# Altium PCB Display_PCB.PcbDoc (part 1 of 3) (continued)
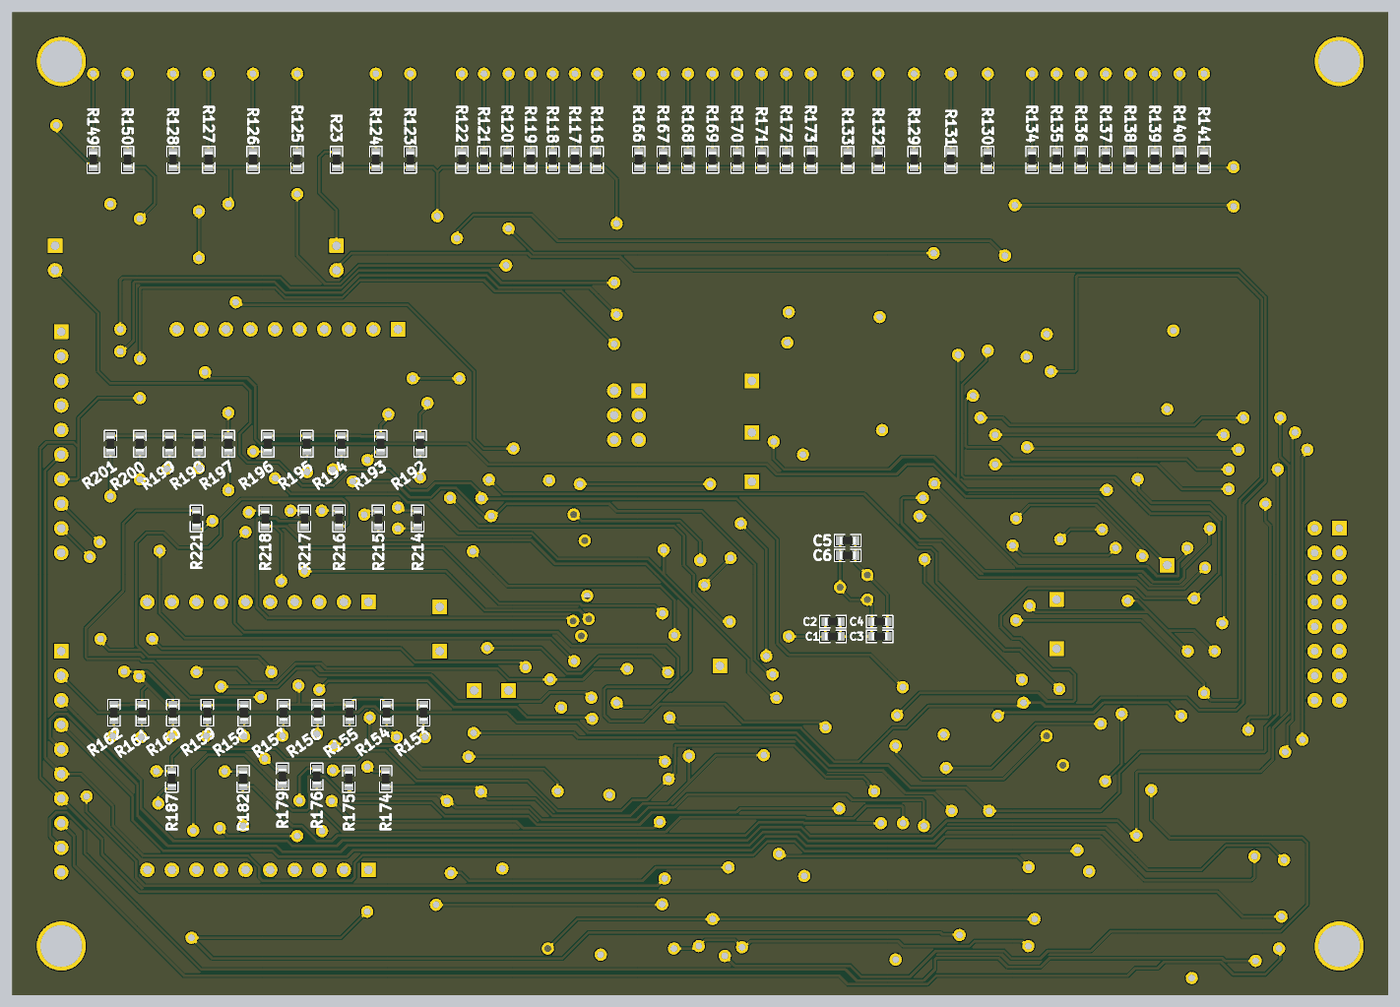
[diagram p7: 3D render of the assembled board from below, using the file's embedded part models]

## Layer stack, top to bottom
Top Solder: solder mask 0.4, Solder Resist, Dk 3.5
Top Layer: signal copper 1.4
Dielectric 2: prepreg 2.8, PP-006, Dk 4.1
Plane(Gnd): plane copper 1.378, net GND
Dielectric 1: dielectric 12.6, FR-4, Dk 4.8
Plane(PWR): plane copper 1.378, net +5
Dielectric 3: prepreg 2.8, PP-006, Dk 4.1
Bottom Layer: signal copper 1.4
Bottom Solder: solder mask 0.4, Solder Resist, Dk 3.5

## Board outline
0,0 0,4000 5600,4000 5600,0

## Design rules (kind name [scope] priority, off if disabled: settings)
Clearance [All] p1: gap=5 ignorepadtopadclearanceinfootprint=FALSE
HoleSize [All] p1: absolutevalues=TRUE maxlimit=200 minlimit=1 maxpercent=80.000 minpercent=20.000
HoleToHoleClearance [All] p1: gap=5 allowstackedmicrovias=TRUE
MinimumSolderMaskSliver [All] p1: minsoldermaskwidth=5
PlaneClearance [All] p1: clearance=20
PlaneConnect [All] p1: planeconnectstyle=Relief reliefexpansion=20 reliefentries=4 reliefconductorwidth=10 reliefairgap=10
PolygonConnect [All] p1: connectstyle=Relief reliefconductorwidth=10 reliefentries=4 polygonreliefangle="90 Angle" airgapwidth=10
RoutingVias [All] p1: holewidth=28 width=50 viastyle="Through Hole" minholewidth=28 minwidth=50 maxholewidth=28 maxwidth=50
SilkToSilkClearance [All] p1: silktosilkclearance=4
SilkToSolderMaskClearance [IsPad] p1: minsilkscreentomaskgap=3.5 clearancetoexposedcopper=TRUE
SolderMaskExpansion [All] p1: expansion=4 istentingtop=FALSE
Width [All] p1: maxlimit=10 minlimit=5 preferedwidth=10 minimp=50.000000 maximp=50.000000 favimp=50.000000
23 further rules are at their usual default settings.

## Classes and differential pairs
component class Display_LED_Monitor: LED1 LED2 LED3 LED4 LED5 LED6 LED7 LED8 LED9 LED10 LED11 LED12 LED13 LED14 LED15 LED16 LED17 LED18 LED19 LED20 LED21 LED22 LED23 LED24 LED25 LED26 LED27 LED28 LED29 LED30 LED31 LED32 LED33 LED34 LED35 LED36 LED37 LED38 LED39 LED40 LED41 LED42 LED43 LED44 LED45 LED46 LED47 LED48 LED49 LED50 LED51 LED52 LED53 LED54 LED55 LED56 R116 R117 R118 R119 R120 R121 R122 R123 R124 R125 R126 R127 R128 R129 R130 R131 R132 R133 R134 R135 R136 R137 R138 R139 R140 R141 R142 R143 R144 R145 R146 R147 R148 R149 R150 R151 R152 R153 R154 R155 R156 R157 R158 R159 R160 R161 R162 R163 R164 R165 R166 R167 R168 R169 R170 R171 R172 R173 R174 R175 R176 R177 R178 R179 R180 R181 R182 R183 R184 R185 R186 R187 R188 R189 R190 R191 R192 R193 R194 R195 R196 R197 R198 R199 R200 R201 R202 R203 R204 R205 R206 R207 R208 R209 R210 R211 R212 R213 R214 R215 R216 R217 R218 R219 R220 R221 R222 R223 R224 R225 R226 R227 TP8 TP9 TP10 TP11 U1 U2 U3 U4 U5 U6
component class Display_CPu: B1 B2 B3 C1 C2 C3 C4 C5 C6 H1 H2 H3 H4 H5 H6 H7 IC1 J1 J2 R1 R2 R3 R4 R5 R6 R7 R8 R9 R10 R11 R12 R13 R14 R15 R16 R17 R18 R19 R20 R21 R22 R23 R24 R25 R26 R27 R28 R29 R30 R31 R32 R33 R34 R35 R36 R37 R38 R39 R40 R41 R42 R43 R44 R45 R46 R47 R48 R49 R50 R51 R52 R53 R54 R56 R57 R58 R60 R61 R62 R64 R65 R66 R68 R69 R70 R72 R73 R74 R76 R77 R79 R80 R81 R82 R83 R84 R85 R86 R87 R88 R89 R90 R91 R92 R93 R94 R95 R96 R97 R98 R99 R100 R101 R102 R103 R104 R105 R106 R107 R108 R109 R110 R111 R112 R113 R114 R115 TP1 TP2 TP3 TP4 TP5 TP6 TP7

## Components (designator, comment, footprint, x,y, rotation, side; value= is the part's Value field where it differs from the comment)
B1 "MM74HC595MX" SOIC127P600X175-16N 2210,310 r0 top locked
B2 "MM74HC595MX" SOIC127P600X175-16N 1010,310 r0 top locked
B3 "MM74HC595MX" SOIC127P600X175-16N 3410,310 r0 top locked
C1 "100nf" 0603 2260,1460 r0 bottom
C2 "1uf" 0603 2260,1520 r0 bottom
C3 "100nf" 0603 2070,1460 r180 bottom
C4 "1uf" 0603 2070,1520 r180 bottom
C5 "100nf" 0603 2200,1850 r180 bottom
C6 "1uf" 0603 2200,1790 r180 bottom
H1 "Header_IDC_2x8" HEADER16 200,1900 r0 top locked
H2 "UDPI Programmer" HDR2X3 3050,2460 r270 top
H3 "Header_1_X_10" TP_1X10 4030,2710 r0 top locked
H4 "Header_1_X_10" TP_1X10 5400,2700 r270 top locked
H5 "LCD1" TP_1X10 4150,510 r0 top locked
H6 "LCD2" TP_1X10 4150,1600 r0 top locked
H7 "Header_1_X_10" TP_1X10 5400,1400 r270 top locked
IC1 "AVR64DD32-I_PT" QFP80P900X900X120-32N 2190,1640 r0 top locked
J1 "Jumper" JUMPER 5425,3050 r180 top locked
J2 "Jumper" JUMPER 4280,3050 r180 top locked
LED1 "green" 0603_DIODE 3220,3375 r90 top
LED2 "green" 0603_DIODE 3310,3375 r90 top
LED3 "green" 0603_DIODE 3400,3375 r90 top
LED4 "green" 0603_DIODE 3490,3375 r90 top
LED5 "green" 0603_DIODE 3585,3375 r90 top
LED6 "green" 0603_DIODE 3680,3375 r90 top
LED7 "green" 0603_DIODE 3770,3375 r90 top
LED8 "green" 0603_DIODE 3980,3375 r90 top
LED9 "green" 0603_DIODE 4120,3375 r90 top
LED10 "green" 0603_DIODE 4440,3375 r90 top
LED11 "green" 0603_DIODE 4620,3375 r90 top
LED12 "green" 0603_DIODE 4800,3375 r90 top
LED13 "green" 0603_DIODE 4945,3375 r90 top
LED14 "green" 0603_DIODE 1930,3375 r90 top
LED15 "amber" 0603_DIODE 1630,3375 r90 top
LED16 "blue" 0603_DIODE 1780,3375 r90 top
LED17 "green" 0603_DIODE 2075,3375 r90 top
LED18 "green" 0603_DIODE 1450,3375 r90 top
LED19 "green" 0603_DIODE 1350,3375 r90 top
LED20 "green" 0603_DIODE 1250,3375 r90 top
LED21 "green" 0603_DIODE 1150,3375 r90 top
LED22 "green" 0603_DIODE 1050,3375 r90 top
LED23 "green" 0603_DIODE 950,3375 r90 top
LED24 "green" 0603_DIODE 850,3375 r90 top
LED25 "green" 0603_DIODE 750,3375 r90 top
LED26 "red" 0603_DIODE 2200,3375 r90 top
LED27 "red" 0603_DIODE 5270,3375 r90 top
LED28 "amber" 0603_DIODE 5130,3375 r90 top
LED29 "green" 0603_DIODE 3930,875 r90 top
LED30 "green" 0603_DIODE 4080,875 r90 top
LED31 "green" 0603_DIODE 4230,875 r90 top
LED32 "green" 0603_DIODE 4360,875 r90 top
LED33 "green" 0603_DIODE 4500,875 r90 top
LED34 "green" 0603_DIODE 4660,875 r90 top
LED35 "green" 0603_DIODE 4810,875 r90 top
LED36 "green" 0603_DIODE 4950,875 r90 top
LED37 "green" 0603_DIODE 5075,875 r90 top
LED38 "green" 0603_DIODE 5190,875 r90 top
LED39 "green" 0603_DIODE 3050,3375 r90 top
LED40 "green" 0603_DIODE 2950,3375 r90 top
LED41 "green" 0603_DIODE 2850,3375 r90 top
LED42 "green" 0603_DIODE 2750,3375 r90 top
LED43 "green" 0603_DIODE 2650,3375 r90 top
LED44 "green" 0603_DIODE 2550,3375 r90 top
LED45 "green" 0603_DIODE 2450,3375 r90 top
LED46 "green" 0603_DIODE 2350,3375 r90 top
LED47 "green" 0603_DIODE 3950,1930 r90 top locked
LED48 "green" 0603_DIODE 4110,1930 r90 top locked
LED49 "green" 0603_DIODE 4270,1930 r90 top locked
LED50 "green" 0603_DIODE 4410,1930 r90 top locked
LED51 "green" 0603_DIODE 4570,1930 r90 top locked
LED52 "green" 0603_DIODE 4730,1930 r90 top locked
LED53 "green" 0603_DIODE 4850,1930 r90 top locked
LED54 "green" 0603_DIODE 4970,1930 r90 top locked
LED55 "green" 0603_DIODE 5090,1930 r90 top locked
LED56 "green" 0603_DIODE 5210,1930 r90 top locked
R1 "0R" 0603 600,1900 r180 top locked
R2 "0R" 0603 2855,2460 r0 top
R3 "0R" 0603 600,1800 r180 top locked
R4 "0R" 0603 2855,2360 r0 top
R5 "0R" 0603 2855,2160 r180 top
R6 "0R" 0603 600,1700 r180 top locked
R7 "0R" 0603 900,1650 r0 top locked
R8 "0R" 0603 2855,2260 r0 top
R9 "0R" 0603 600,1600 r180 top locked
R10 "0R" 0603 900,1550 r0 top locked
R11 "0R" 0603 600,1500 r180 top locked
R12 "0R" 0603 900,1450 r0 top locked
R13 "0R" 0603 600,1400 r180 top locked
R14 "0R" 0603 900,1350 r0 top locked
R15 "0R" 0603 600,1300 r180 top locked
R16 "0R" 0603 600,1200 r180 top locked
R17 "0R" 0603 2150,2020 r270 top locked
R18 "0R" 0603 2280,2020 r90 top locked
R19 "0R" 0603 2090,2020 r270 top locked
R20 "0R" 0603 2340,2020 r90 top locked
R21 "0R" 0603 2030,2020 r270 top locked
R22 "0R" 0603 2400,2020 r90 top locked
R23 "4.7k" 0603 4280,3400 r270 bottom
R24 "4.7k" 0603 5425,3400 r90 top locked
R25 "0R" 0603 1620,1770 r0 top locked
R26 "0R" 0603 2590,1810 r0 top locked
R27 "0R" 0603 1620,1710 r0 top locked
R28 "0R" 0603 2590,1750 r0 top locked
R29 "0R" 0603 1620,1650 r0 top locked
R30 "0R" 0603 2590,1690 r0 top locked
R31 "0R" 0603 1620,1590 r0 top locked
R32 "0R" 0603 2590,1630 r0 top locked
R33 "0R" 0603 1620,1530 r0 top locked
R34 "0R" 0603 2590,1570 r0 top locked
R35 "0R" 0603 2590,1510 r0 top locked
R36 "0R" 0603 1620,1470 r0 top locked
R37 "0R" 0603 2420,1210 r270 top
R38 "0R" 0603 1620,1410 r0 top locked
R39 "0R" 0603 2360,1210 r270 top
R40 "0R" 0603 1620,1350 r0 top locked
R41 "0R" 0603 2300,1210 r270 top
R42 "0R" 0603 2060,1210 r90 top
R43 "0R" 0603 2240,1210 r270 top
R44 "0R" 0603 2180,1210 r270 top
R45 "0R" 0603 2120,1210 r270 top
R46 "0R" 0603 4130,2530 r90 top locked
R47 "0R" 0603 4230,2530 r90 top locked
R48 "0R" 0603 4430,2530 r90 top locked
R49 "0R" 0603 4530,2530 r90 top locked
R50 "0R" 0603 4630,2530 r90 top locked
R51 "0R" 0603 4730,2530 r90 top locked
R52 "0R" 0603 4250,310 r90 top locked
R53 "0R" 0603 2510,490 r0 top locked
R54 "0R" 0603 4350,310 r90 top locked
R56 "0R" 0603 2510,430 r180 top locked
R57 "0R" 0603 1860,490 r180 top locked
R58 "0R" 0603 4450,310 r90 top locked
R60 "0R" 0603 2510,370 r180 top locked
R61 "0R" 0603 1860,430 r180 top locked
R62 "0R" 0603 4550,310 r90 top locked
R64 "0R" 0603 2510,310 r180 top locked
R65 "0R" 0603 1860,370 r180 top locked
R66 "0R" 0603 4650,310 r90 top locked
R68 "0R" 0603 2510,250 r180 top locked
R69 "0R" 0603 1860,310 r180 top locked
R70 "0R" 0603 4750,310 r90 top locked
R72 "0R" 0603 2510,190 r180 top locked
R73 "0R" 0603 1860,250 r180 top locked
R74 "0R" 0603 4850,310 r90 top locked
R76 "0R" 0603 1860,190 r180 top locked
R77 "0R" 0603 4950,310 r90 top locked
R79 "0R" 0603 1860,130 r180 top locked
R80 "0R" 0603 2510,130 r0 top locked
R81 "0R" 0603 4250,1410 r90 top locked
R82 "0R" 0603 1310,490 r0 top locked
R83 "0R" 0603 4350,1410 r90 top locked
R84 "0R" 0603 1310,430 r180 top locked
R85 "0R" 0603 660,490 r180 top locked
R86 "0R" 0603 4450,1410 r90 top locked
R87 "0R" 0603 1310,370 r180 top locked
R88 "0R" 0603 660,430 r180 top locked
R89 "0R" 0603 4550,1410 r90 top locked
R90 "0R" 0603 1310,310 r180 top locked
R91 "0R" 0603 660,370 r180 top locked
R92 "0R" 0603 4650,1410 r90 top locked
R93 "0R" 0603 1310,250 r180 top locked
R94 "0R" 0603 660,310 r180 top locked
R95 "0R" 0603 4750,1410 r90 top locked
R96 "0R" 0603 1310,190 r180 top locked
R97 "0R" 0603 660,250 r180 top locked
R98 "0R" 0603 4850,1410 r90 top locked
R99 "0R" 0603 660,190 r180 top locked
R100 "0R" 0603 3710,490 r0 top locked
R101 "0R" 0603 4950,1410 r90 top locked
R102 "0R" 0603 660,130 r180 top locked
R103 "0R" 0603 3710,430 r180 top locked
R104 "0R" 0603 3060,490 r180 top locked
R105 "0R" 0603 3710,370 r180 top locked
R106 "0R" 0603 3060,430 r180 top locked
R107 "0R" 0603 1310,130 r0 top locked
R108 "0R" 0603 3710,310 r180 top locked
R109 "0R" 0603 3060,370 r180 top locked
R110 "0R" 0603 3710,250 r180 top locked
R111 "0R" 0603 3060,310 r180 top locked
R112 "0R" 0603 3710,190 r180 top locked
R113 "0R" 0603 3060,250 r180 top locked
R114 "0R" 0603 3060,190 r180 top locked
R115 "0R" 0603 3060,130 r180 top locked
R116 "180" 0603 3220,3400 r270 bottom
R117 "180" 0603 3310,3400 r270 bottom
R118 "180" 0603 3400,3400 r270 bottom
R119 "180" 0603 3490,3400 r270 bottom
R120 "180" 0603 3585,3400 r270 bottom
R121 "180" 0603 3680,3400 r270 bottom
R122 "180" 0603 3770,3400 r270 bottom
R123 "180" 0603 3980,3400 r270 bottom
R124 "180" 0603 4120,3400 r270 bottom
R125 "180" 0603 4440,3400 r270 bottom
R126 "180" 0603 4620,3400 r270 bottom
R127 "180" 0603 4800,3400 r270 bottom
R128 "180" 0603 4945,3400 r270 bottom
R129 "180" 0603 1930,3400 r270 bottom
R130 "180" 0603 1630,3400 r270 bottom
R131 "100" 0603 1780,3400 r90 bottom
R132 "180" 0603 2075,3400 r270 bottom
R133 "180" 0603 2200,3400 r270 bottom
R134 "180" 0603 1450,3400 r270 bottom
R135 "180" 0603 1350,3400 r270 bottom
R136 "180" 0603 1250,3400 r270 bottom
R137 "180" 0603 1150,3400 r270 bottom
R138 "180" 0603 1050,3400 r270 bottom
R139 "180" 0603 950,3400 r270 bottom
R140 "180" 0603 850,3400 r270 bottom
R141 "180" 0603 750,3400 r270 bottom
R142 "0R" 0603 1930,2700 r90 top locked
R143 "0R" 0603 1630,2700 r90 top locked
R144 "0R" 0603 3400,2700 r90 top locked
R145 "0R" 0603 1780,2700 r90 top locked
R146 "0R" 0603 3490,2700 r90 top locked
R147 "0R" 0603 5035,3010 r90 top
R148 "0R" 0603 1050,1040 r0 top locked
R149 "180" 0603 5270,3400 r270 bottom
R150 "47" 0603 5130,3400 r90 bottom
R151 "0R" 0603 1050,980 r0 top locked
R152 "0R" 0603 1050,920 r0 top locked
R153 "180" 0603 3925.75,1150 r90 bottom
R154 "180" 0603 4075.75,1150 r90 bottom
R155 "180" 0603 4225.75,1150 r90 bottom
R156 "180" 0603 4355.75,1150 r90 bottom
R157 "180" 0603 4495.75,1150 r90 bottom
R158 "180" 0603 4655.75,1150 r90 bottom
R159 "180" 0603 4805.75,1150 r90 bottom
R160 "180" 0603 4945.75,1150 r90 bottom
R161 "180" 0603 5070.75,1150 r90 bottom
R162 "180" 0603 5185.75,1150 r90 bottom
R163 "0R" 0603 1680,920 r180 top locked
R164 "0R" 0603 1680,980 r180 top locked
R165 "0R" 0603 1680,1040 r180 top locked
R166 "180" 0603 3050,3400 r270 bottom
R167 "180" 0603 2950,3400 r270 bottom
R168 "180" 0603 2850,3400 r270 bottom
R169 "180" 0603 2750,3400 r270 bottom
R170 "180" 0603 2650,3400 r270 bottom
R171 "180" 0603 2550,3400 r270 bottom
R172 "180" 0603 2450,3400 r270 bottom
R173 "180" 0603 2350,3400 r270 bottom
R174 "0R" 0603 4080,880 r90 bottom
R175 "0R" 0603 4230,880 r90 bottom
R176 "0R" 0603 4360,890 r90 bottom
R177 "0R" 0603 3040,2020 r0 top locked
R178 "0R" 0603 3040,1960 r180 top locked
R179 "0R" 0603 4500,890 r90 bottom
R180 "0R" 0603 3040,1900 r0 top locked
R181 "0R" 0603 3040,1840 r180 top locked
R182 "0R" 0603 4660,880 r90 bottom
R183 "0R" 0603 3040,1780 r0 top
R184 "0R" 0603 3040,1720 r180 top locked
R185 "0R" 0603 3560,1780 r180 top locked
R186 "0R" 0603 3560,1720 r0 top locked
R187 "0R" 0603 4950,880 r270 bottom
R188 "0R" 0603 3560,1900 r180 top locked
R189 "0R" 0603 3560,1840 r0 top locked
R190 "0R" 0603 3560,2020 r180 top locked
R191 "0R" 0603 3560,1960 r0 top locked
R192 "180" 0603 3940,2244 r90 bottom
R193 "180" 0603 4100,2244 r90 bottom
R194 "180" 0603 4260,2244 r90 bottom
R195 "180" 0603 4400,2244 r90 bottom
R196 "180" 0603 4560,2244 r90 bottom
R197 "180" 0603 4720,2244 r90 bottom
R198 "180" 0603 4840,2244 r90 bottom
R199 "180" 0603 4960,2244 r90 bottom
R200 "180" 0603 5080,2244 r90 bottom
R201 "180" 0603 5200,2244 r90 bottom
R202 "0R" 0603 3020,1120 r0 top locked
R203 "0R" 0603 3020,1060 r180 top locked
R204 "0R" 0603 3020,1000 r0 top locked
R205 "0R" 0603 3020,940 r180 top locked
R206 "0R" 0603 3020,880 r0 top locked
R207 "0R" 0603 3020,820 r180 top locked
R208 "0R" 0603 3560,860 r180 top locked
R209 "0R" 0603 3560,800 r0 top locked
R210 "0R" 0603 3560,980 r180 top locked
R211 "0R" 0603 3560,920 r0 top locked
R212 "0R" 0603 3560,1100 r180 top locked
R213 "0R" 0603 3560,1040 r0 top locked
R214 "0R" 0603 3950,1940 r90 bottom
R215 "0R" 0603 4110,1940 r90 bottom
R216 "0R" 0603 4270,1940 r90 bottom
R217 "0R" 0603 4410,1940 r90 bottom
R218 "0R" 0603 4570,1940 r90 bottom
R219 "0R" 0603 3040,1600 r0 top locked
R220 "0R" 0603 3040,1540 r0 top locked
R221 "0R" 0603 4850,1940 r270 bottom
R222 "0R" 0603 3040,1480 r0 top locked
R223 "0R" 0603 3560,1400 r180 top locked
R224 "0R" 0603 3560,1520 r180 top locked
R225 "0R" 0603 3560,1460 r0 top locked
R226 "0R" 0603 3560,1640 r180 top locked
R227 "0R" 0603 3560,1580 r0 top locked
TP1 "TP" TP 900,1750 r0 top locked
TP2 "TP" TP 2590,2500 r0 top
TP3 "TP" TP 2590,2090 r0 top
TP4 "TP" TP 2590,2290 r0 top
TP5 "TP" TP 2720,1340 r0 top
TP6 "TP" TP 1350,1610 r0 top locked
TP7 "TP" TP 1350,1410 r0 top locked
TP8 "TP" TP 3580,1240 r0 top
TP9 "TP" TP 3720,1240 r0 top
TP10 "TP" TP 3860,1580 r0 top
TP11 "TP" TP 3860,1400 r0 top
U1 "SN74ABT240ADBR" SOP65P780X200-20N 1150,2500 r0 top locked
U2 "SN74AC04PWR" SOP65P640X120-14N 1360,980 r0 top locked
U3 "SN74AC04PWR" SOP65P640X120-14N 3300,1880 r0 top locked
U4 "SN74ABT240ADBR" SOP65P780X200-20N 2200,2500 r0 top
U5 "SN74AC04PWR" SOP65P640X120-14N 3300,980 r0 top locked
U6 "SN74AC04PWR" SOP65P640X120-14N 3300,1520 r0 top locked

## Footprints (in the part's own frame and the unit in brackets; to place one, negate y for a bottom-side part, rotate by r counter-clockwise, add the part's x,y. Pads: shape width x height; smd on the part's side, far side on the other; paste and mask are expansions set on the pad)
0603 [mm]
  rect 0.8x0.95 smd: 1(-0.8,0) 2(0.8,0)
  silkscreen extent -1.37,-0.64 1.37,0.64, body extent -0.8,-0.4 0.8,0.4, height 0.55
0603_DIODE [mm]
  rect 0.8x0.8 smd: 1(-0.8,0) 2(0.8,0)
  silkscreen extent -2.03,-0.89 2.03,1.02
HDR2X3 [mm] "Connector; Header; 3x2 Position"
  rect 1.5x1.5 hole 0.9: 1(0,0)
  round 1.5 hole 0.9: 2(0,2.54) 3(2.54,0) 4(2.54,2.54) 5(5.08,0) 6(5.08,2.54)
  silkscreen extent -1.27,-1.27 6.35,3.81
HEADER16 [mil]
  rect 60x60 hole 31.5: 1(0,0)
  round 60 hole 31.5: 2(100,0) 3(0,-100) 4(100,-100) 5(0,-200) 6(100,-200) 7(0,-300) 8(100,-300) 9(0,-400) 10(100,-400) 11(0,-500) 12(100,-500) 13(0,-600) 14(100,-600) 15(0,-700) 16(100,-700)
  silkscreen extent -130,-900 230,200
JUMPER [mm] "Connector; Header; 8x2 Position"
  rect 1.5x1.5 hole 0.9: 1(0,0)
  round 1.5 hole 0.9: 2(0,2.54)
  silkscreen extent -1.27,-1.78 1.52,4.06
QFP80P900X900X120-32N [mm]
  rect 1.475x0.6 smd: 1(-4.238,2.8) 2(-4.238,2) 3(-4.238,1.2) 4(-4.238,0.4) 5(-4.238,-0.4) 6(-4.238,-1.2) 7(-4.238,-2) 8(-4.238,-2.8) 17(4.238,-2.8) 18(4.238,-2) 19(4.238,-1.2) 20(4.238,-0.4) 21(4.238,0.4) 22(4.238,1.2) 23(4.238,2) 24(4.238,2.8)
  rect 0.6x1.475 smd: 9(-2.8,-4.238) 10(-2,-4.238) 11(-1.2,-4.238) 12(-0.4,-4.238) 13(0.4,-4.238) 14(1.2,-4.238) 15(2,-4.238) 16(2.8,-4.238) 25(2.8,4.238) 26(2,4.238) 27(1.2,4.238) 28(0.4,4.238) 29(-0.4,4.238) 30(-1.2,4.238) 31(-2,4.238) 32(-2.8,4.238)
  silkscreen extent -4.77,-3.15 3.15,4.2, body extent -4.5,-4.5 4.5,4.5, height 1.2
SOIC127P600X175-16N [mm]
  rect 1.525x0.65 smd: 1(-2.712,4.445) 2(-2.712,3.175) 3(-2.712,1.905) 4(-2.712,0.635) 5(-2.712,-0.635) 6(-2.712,-1.905) 7(-2.712,-3.175) 8(-2.712,-4.445) 9(2.712,-4.445) 10(2.712,-3.175) 11(2.712,-1.905) 12(2.712,-0.635) 13(2.712,0.635) 14(2.712,1.905) 15(2.712,3.175) 16(2.712,4.445)
  silkscreen extent -3.47,-4.95 1.6,5.12, body extent -3.01,-4.95 3.01,4.95, height 1.75
SOP65P640X120-14N [mm]
  rect 1.475x0.45 smd: 1(-2.938,1.95) 2(-2.938,1.3) 3(-2.938,0.65) 4(-2.938,0) 5(-2.938,-0.65) 6(-2.938,-1.3) 7(-2.938,-1.95) 8(2.938,-1.95) 9(2.938,-1.3) 10(2.938,-0.65) 11(2.938,0) 12(2.938,0.65) 13(2.938,1.3) 14(2.938,1.95)
  silkscreen extent -3.67,-2.5 1.85,2.53, body extent -3.2,-2.5 3.2,2.5, height 1.13
SOP65P780X200-20N [mm]
  rect 1.8x0.45 smd: 1(-3.55,2.925) 2(-3.55,2.275) 3(-3.55,1.625) 4(-3.55,0.975) 5(-3.55,0.325) 6(-3.55,-0.325) 7(-3.55,-0.975) 8(-3.55,-1.625) 9(-3.55,-2.275) 10(-3.55,-2.925) 11(3.55,-2.925) 12(3.55,-2.275) 13(3.55,-1.625) 14(3.55,-0.975) 15(3.55,-0.325) 16(3.55,0.325) 17(3.55,0.975) 18(3.55,1.625) 19(3.55,2.275) 20(3.55,2.925)
  silkscreen extent -4.45,-3.6 2.3,3.6, body extent -4.03,-3.6 3.77,3.6, height 1.9
TP [mm] "Test Point"
  rect 1.5x1.5 hole 0.9: 1(0,0)
  silkscreen extent -1.27,-1.27 1.27,1.27
TP_1X10 [mm] "Test Point Header 1X10"
  rect 1.5x1.5 hole 0.9: 1(0,0)
  round 1.5 hole 0.9: 2(2.54,0) 3(5.08,0) 4(7.62,0) 5(10.16,0) 6(12.7,0) 7(15.24,0) 8(17.78,0) 9(20.32,0) 10(22.86,0)
  silkscreen extent -1.27,-1.27 24.13,1.27

## Part data
B1 B2 B3: "Shift Register HS 8 Bit CMOS SOIC16", Manufacturer_Name=onsemi, Mouser Part Number=512-MM74HC595MX, Geometry.Height=1.75mm, Manufacturer_Part_Number=MM74HC595MX, Mouser Price/Stock=https://www.mouser.co.uk/ProductDetail/onsemi-Fairchild/MM74HC595MX?qs=Qb0BA3xILelPReDH8l7J4w%3D%3D
C1 C3 C5: library part CL10B104JB8NNNC, "Samsung Electro-Mechanics 0603 100nf"
C2 C4 C6: library part CL10B105KA8NNNL, "Samsung Electro-Mechanics 0603 1uf"
H1: "16 Pin 2x8 Through Hold IDC Connector", Color=Black, Manufacturer=Samtec, Manufacturer Part Number=TST-108-01-G-D, Max Operating Temperature=125°C, Min Operating Temperature=-55°C, Supplier Part Number 1=SAM10835-ND, Category="Headers and Wire Housings", ComponentLink1Description=https://datasheet.ciiva.com/739/tst-mkt-739845.pdf?src-supplier=Digi-Key, ComponentLink1URL=https://datasheet.ciiva.com/739/tst-mkt-739845.pdf?src-supplier=Digi-Key, ComponentLink2Description=https://datasheet.ciiva.com/10018/htst-10018510.pdf?src-supplier=Avnet, ComponentLink2URL=https://datasheet.ciiva.com/10018/htst-10018510.pdf?src-supplier=Avnet, Connector Type="Male Pin", Contact Material=Bronze, Contact Mating Length=0.25inch, Contact Plating=Gold, Depth=9.27mm, Gender=Male, Housing Color=Black, Housing Material=Polyester, Length=27.94mm, Mount="Through Hole", Number of Contacts=16, Number of Positions=16, Number of Rows=2, Orientation=Straight, Packaging=Rail/Tube, Pitch=2.54mm, Pricing 1="1=2.85000, 10=2.73600, 100=2.28000, 500=1.93800, 1000=1.65300, 5000=1.48200 (USD)", REACH SVHC="No SVHC", RoHS=Yes, Row Spacing=0.1inch, Stock 1=227, Supplier 1=Digi-Key, Termination=Solder
H2: "6 Pin 2X3 Through Hole Header"
H3 H4 H7 TP1 TP2 TP3 TP4 TP5 TP6 TP7 TP8 TP9 TP10 TP11: Color=Black, Manufacturer=Samtec, Manufacturer Part Number=TST-105-01-G-D, Max Operating Temperature=125°C, Min Operating Temperature=-55°C, Category="Headers and Wire Housings", ComponentLink1Description=https://datasheet.ciiva.com/739/tst-mkt-739845.pdf?src-supplier=Digi-Key, ComponentLink1URL=https://datasheet.ciiva.com/739/tst-mkt-739845.pdf?src-supplier=Digi-Key, ComponentLink2Description=https://datasheet.ciiva.com/10018/htst-10018510.pdf?src-supplier=Avnet, ComponentLink2URL=https://datasheet.ciiva.com/10018/htst-10018510.pdf?src-supplier=Avnet, Connector Type="Male Pin", Contact Material=Bronze, Contact Mating Length=0.25inch, Contact Plating=Gold, Depth=9.27mm, Gender=Male, Housing Color=Black, Housing Material=Polyester, Length=27.94mm, Mount="Through Hole", Number of Contacts=16, Number of Positions=16, Number of Rows=2, Orientation=Straight, Packaging=Rail/Tube, Pitch=2.54mm, Pricing 1="1=2.85000, 10=2.73600, 100=2.28000, 500=1.93800, 1000=1.65300, 5000=1.48200 (USD)", REACH SVHC="No SVHC", RoHS=Yes, Row Spacing=0.1inch, Stock 1=227, Supplier 1=Digi-Key, Termination=Solder
H5 H6: library part Header_1_X_10, Color=Black, Manufacturer=Samtec, Manufacturer Part Number=TST-105-01-G-D, Max Operating Temperature=125°C, Min Operating Temperature=-55°C, Category="Headers and Wire Housings", ComponentLink1Description=https://datasheet.ciiva.com/739/tst-mkt-739845.pdf?src-supplier=Digi-Key, ComponentLink1URL=https://datasheet.ciiva.com/739/tst-mkt-739845.pdf?src-supplier=Digi-Key, ComponentLink2Description=https://datasheet.ciiva.com/10018/htst-10018510.pdf?src-supplier=Avnet, ComponentLink2URL=https://datasheet.ciiva.com/10018/htst-10018510.pdf?src-supplier=Avnet, Connector Type="Male Pin", Contact Material=Bronze, Contact Mating Length=0.25inch, Contact Plating=Gold, Depth=9.27mm, Gender=Male, Housing Color=Black, Housing Material=Polyester, Length=27.94mm, Mount="Through Hole", Number of Contacts=16, Number of Positions=16, Number of Rows=2, Orientation=Straight, Packaging=Rail/Tube, Pitch=2.54mm, Pricing 1="1=2.85000, 10=2.73600, 100=2.28000, 500=1.93800, 1000=1.65300, 5000=1.48200 (USD)", REACH SVHC="No SVHC", RoHS=Yes, Row Spacing=0.1inch, Stock 1=227, Supplier 1=Digi-Key, Termination=Solder
IC1: "Integrated Circuit", Manufacturer_Name=Microchip, Manufacturer_Part_Number="AVR64DD32-I/PT | MULTI-VOLTAGE I/O", Datasheet Link=https://www.microchip.com/en-us/product/AVR64DD32, Height=1.2mm
J1 J2: "16 Pin 3x8 Through Hold Jumprts", Color=Black, Manufacturer=Samtec, Manufacturer Part Number=TST-108-01-G-D, Max Operating Temperature=125°C, Min Operating Temperature=-55°C, Category="Headers and Wire Housings", ComponentLink1Description=https://datasheet.ciiva.com/739/tst-mkt-739845.pdf?src-supplier=Digi-Key, ComponentLink1URL=https://datasheet.ciiva.com/739/tst-mkt-739845.pdf?src-supplier=Digi-Key, ComponentLink2Description=https://datasheet.ciiva.com/10018/htst-10018510.pdf?src-supplier=Avnet, ComponentLink2URL=https://datasheet.ciiva.com/10018/htst-10018510.pdf?src-supplier=Avnet, Connector Type="Male Pin", Contact Material=Bronze, Contact Mating Length=0.25inch, Contact Plating=Gold, Depth=9.27mm, Gender=Male, Housing Color=Black, Housing Material=Polyester, Length=27.94mm, Mount="Through Hole", Number of Contacts=16, Number of Positions=16, Number of Rows=2, Orientation=Straight, Packaging=Rail/Tube, Pitch=2.54mm, Pricing 1="1=2.85000, 10=2.73600, 100=2.28000, 500=1.93800, 1000=1.65300, 5000=1.48200 (USD)", REACH SVHC="No SVHC", RoHS=Yes, Row Spacing=0.1inch, Stock 1=227, Supplier 1=Digi-Key, Termination=Solder
LED1 LED2 LED3 LED4 LED5 LED6 LED7 LED8 LED9 LED10 LED11 LED12 LED13 LED14 LED17 LED18 LED19 LED20 LED21 LED22 LED23 LED24 LED25 LED29 LED30 LED31 LED32 LED33 LED34 LED35 LED36 LED37 LED38 LED39 LED40 LED41 LED42 LED43 LED44 LED45 LED46 LED47 LED48 LED49 LED50 LED51 LED52 LED53 LED54 LED55 LED56: library part 150060GS75000, "Wurth Elektronik 0603 green", Case Code (Imperial)=0603, Case Code (Metric)=1608, Color=Green, Forward Current=30mA, Forward Voltage=3.2V, Manufacturer="Wurth Electronics", Max Operating Temperature=85°C, Min Operating Temperature=-40°C, Package Quantity=4000, Test Current=20mA, Case/Package=0603, Category=LEDs, ComponentLink1Description=https://datasheet.ciiva.com/29562/150060gs75000-29562868.pdf?src-supplier=Digi-Key, ComponentLink1URL=https://datasheet.ciiva.com/29562/150060gs75000-29562868.pdf?src-supplier=Digi-Key, ComponentLink2Description=https://datasheet.ciiva.com/29279/759427-da-01-en-chipled-0603-w-kl-gruen-150060gs75000-29279201.pdf?src-supplier=Conrad, ComponentLink2URL=https://datasheet.ciiva.com/29279/759427-da-01-en-chipled-0603-w-kl-gruen-150060gs75000-29279201.pdf?src-supplier=Conrad, ComponentLink3Description=https://datasheet.ciiva.com/29562/150060gs75000-29562869.pdf?src-supplier=Digi-Key, ComponentLink3URL=https://datasheet.ciiva.com/29562/150060gs75000-29562869.pdf?src-supplier=Digi-Key, ComponentLink4Description=https://datasheet.ciiva.com/29562/150060gs75000-29562870.pdf?src-supplier=Digi-Key, ComponentLink4URL=https://datasheet.ciiva.com/29562/150060gs75000-29562870.pdf?src-supplier=Digi-Key, Dominant Wavelength=520nm, Height=0.7mm, Lead Free="Lead Free", Length=1.6mm, Lens Style=Clear,Rectangular, Luminous Intensity=430mcd, Manufacturer Part Number=150060GS75000, Mount="Surface Mount", Packaging="Tape and Reel", Pricing 1="1=0.14000, 50=0.13300, 100=0.11400, 500=0.09900 (USD)", REACH SVHC=Unknown, RoHS=Yes, Stock 1=71509, Supplier 1=Digi-Key, Viewing Angle=140°, Wavelength=520nm, Width=0.8mm
LED15 LED28: library part 150060AS75000, "Wurth Elektronik 0603 amber", Case Code (Imperial)=0603, Case Code (Metric)=1608, Color=Green, Forward Current=30mA, Forward Voltage=3.2V, Manufacturer="Wurth Electronics", Manufacturer Part Number=150060GS75000, Max Operating Temperature=85°C, Min Operating Temperature=-40°C, Package Quantity=4000, Test Current=20mA, Case/Package=0603, Category=LEDs, ComponentLink1Description=https://datasheet.ciiva.com/29562/150060gs75000-29562868.pdf?src-supplier=Digi-Key, ComponentLink1URL=https://datasheet.ciiva.com/29562/150060gs75000-29562868.pdf?src-supplier=Digi-Key, ComponentLink2Description=https://datasheet.ciiva.com/29279/759427-da-01-en-chipled-0603-w-kl-gruen-150060gs75000-29279201.pdf?src-supplier=Conrad, ComponentLink2URL=https://datasheet.ciiva.com/29279/759427-da-01-en-chipled-0603-w-kl-gruen-150060gs75000-29279201.pdf?src-supplier=Conrad, ComponentLink3Description=https://datasheet.ciiva.com/29562/150060gs75000-29562869.pdf?src-supplier=Digi-Key, ComponentLink3URL=https://datasheet.ciiva.com/29562/150060gs75000-29562869.pdf?src-supplier=Digi-Key, ComponentLink4Description=https://datasheet.ciiva.com/29562/150060gs75000-29562870.pdf?src-supplier=Digi-Key, ComponentLink4URL=https://datasheet.ciiva.com/29562/150060gs75000-29562870.pdf?src-supplier=Digi-Key, Dominant Wavelength=520nm, Height=0.7mm, Lead Free="Lead Free", Length=1.6mm, Lens Style=Clear,Rectangular, Luminous Intensity=430mcd, Mount="Surface Mount", Packaging="Tape and Reel", Pricing 1="1=0.14000, 50=0.13300, 100=0.11400, 500=0.09900 (USD)", REACH SVHC=Unknown, RoHS=Yes, Stock 1=71509, Supplier 1=Digi-Key, Viewing Angle=140°, Wavelength=520nm, Width=0.8mm
LED16: library part 150060BS75000, "Wurth Elektronik 0603 blue", Case Code (Imperial)=0603, Case Code (Metric)=1608, Color=Green, Forward Current=30mA, Forward Voltage=3.2V, Manufacturer="Wurth Electronics", Manufacturer Part Number=150060GS75000, Max Operating Temperature=85°C, Min Operating Temperature=-40°C, Package Quantity=4000, Test Current=20mA, Case/Package=0603, Category=LEDs, ComponentLink1Description=https://datasheet.ciiva.com/29562/150060gs75000-29562868.pdf?src-supplier=Digi-Key, ComponentLink1URL=https://datasheet.ciiva.com/29562/150060gs75000-29562868.pdf?src-supplier=Digi-Key, ComponentLink2Description=https://datasheet.ciiva.com/29279/759427-da-01-en-chipled-0603-w-kl-gruen-150060gs75000-29279201.pdf?src-supplier=Conrad, ComponentLink2URL=https://datasheet.ciiva.com/29279/759427-da-01-en-chipled-0603-w-kl-gruen-150060gs75000-29279201.pdf?src-supplier=Conrad, ComponentLink3Description=https://datasheet.ciiva.com/29562/150060gs75000-29562869.pdf?src-supplier=Digi-Key, ComponentLink3URL=https://datasheet.ciiva.com/29562/150060gs75000-29562869.pdf?src-supplier=Digi-Key, ComponentLink4Description=https://datasheet.ciiva.com/29562/150060gs75000-29562870.pdf?src-supplier=Digi-Key, ComponentLink4URL=https://datasheet.ciiva.com/29562/150060gs75000-29562870.pdf?src-supplier=Digi-Key, Dominant Wavelength=520nm, Height=0.7mm, Lead Free="Lead Free", Length=1.6mm, Lens Style=Clear,Rectangular, Luminous Intensity=430mcd, Mount="Surface Mount", Packaging="Tape and Reel", Pricing 1="1=0.14000, 50=0.13300, 100=0.11400, 500=0.09900 (USD)", REACH SVHC=Unknown, RoHS=Yes, Stock 1=71509, Supplier 1=Digi-Key, Viewing Angle=140°, Wavelength=520nm, Width=0.8mm
LED26 LED27: library part 150060RS75000, "Wurth Elektronik 0603 red", Case Code (Imperial)=0603, Case Code (Metric)=1608, Color=Green, Forward Current=30mA, Forward Voltage=3.2V, Manufacturer="Wurth Electronics", Manufacturer Part Number=150060GS75000, Max Operating Temperature=85°C, Min Operating Temperature=-40°C, Package Quantity=4000, Test Current=20mA, Case/Package=0603, Category=LEDs, ComponentLink1Description=https://datasheet.ciiva.com/29562/150060gs75000-29562868.pdf?src-supplier=Digi-Key, ComponentLink1URL=https://datasheet.ciiva.com/29562/150060gs75000-29562868.pdf?src-supplier=Digi-Key, ComponentLink2Description=https://datasheet.ciiva.com/29279/759427-da-01-en-chipled-0603-w-kl-gruen-150060gs75000-29279201.pdf?src-supplier=Conrad, ComponentLink2URL=https://datasheet.ciiva.com/29279/759427-da-01-en-chipled-0603-w-kl-gruen-150060gs75000-29279201.pdf?src-supplier=Conrad, ComponentLink3Description=https://datasheet.ciiva.com/29562/150060gs75000-29562869.pdf?src-supplier=Digi-Key, ComponentLink3URL=https://datasheet.ciiva.com/29562/150060gs75000-29562869.pdf?src-supplier=Digi-Key, ComponentLink4Description=https://datasheet.ciiva.com/29562/150060gs75000-29562870.pdf?src-supplier=Digi-Key, ComponentLink4URL=https://datasheet.ciiva.com/29562/150060gs75000-29562870.pdf?src-supplier=Digi-Key, Dominant Wavelength=520nm, Height=0.7mm, Lead Free="Lead Free", Length=1.6mm, Lens Style=Clear,Rectangular, Luminous Intensity=430mcd, Mount="Surface Mount", Packaging="Tape and Reel", Pricing 1="1=0.14000, 50=0.13300, 100=0.11400, 500=0.09900 (USD)", REACH SVHC=Unknown, RoHS=Yes, Stock 1=71509, Supplier 1=Digi-Key, Viewing Angle=140°, Wavelength=520nm, Width=0.8mm
R1 R2 R3 R4 R5 R6 R7 R8 R9 R10 R11 R12 R13 R14 R15 R16 R17 R18 R19 R20 R21 R22 R25 R26 R27 R28 R29 R30 R31 R32 R33 R34 R35 R36 R37 R38 R39 R40 R41 R42 R43 R44 R45 R46 R47 R48 R49 R50 R51 R52 R53 R54 R56 R57 R58 R60 R61 R62 R64 R65 R66 R68 R69 R70 R72 R73 R74 R76 R77 R79 R80 R81 R82 R83 R84 R85 R86 R87 R88 R89 R90 R91 R92 R93 R94 R95 R96 R97 R98 R99 R100 R101 R102 R103 R104 R105 R106 R107 R108 R109 R110 R111 R112 R113 R114 R115 R142 R143 R144 R145 R146 R147 R148 R151 R152 R163 R164 R165 R174 R175 R176 R177 R178 R179 R180 R181 R182 R183 R184 R185 R186 R187 R188 R189 R190 R191 R202 R203 R204 R205 R206 R207 R208 R209 R210 R211 R212 R213 R214 R215 R216 R217 R218 R219 R220 R221 R222 R223 R224 R225 R226 R227: library part RC0603JR-070RL, "YAGEO 0603 0 ohm", Manufacturer_Name=KEMET, Mouser Part Number=603-RC0603JR-070RL, Datasheet Link=https://datasheet.datasheetarchive.com/originals/distributors/Datasheets_SAMA/902f9e387b938f871d31120f5fc1d65e.pdf, Geometry.Height=0.55mm, Manufacturer_Part_Number=RC0603JR-070RL, Mouser Price/Stock=https://www.mouser.co.uk/ProductDetail/YAGEO/RC0603JR-070RL?qs=2cAdsCoAWRGWyPcuXgGiXQ%3D%3D
R23 R24: library part RC0603FR-104K7L, "YAGEO 0603 4.7k", Manufacturer_Name=KEMET, Manufacturer_Part_Number=RC0603JR-070RL, Mouser Part Number=603-RC0603JR-070RL, Datasheet Link=https://datasheet.datasheetarchive.com/originals/distributors/Datasheets_SAMA/902f9e387b938f871d31120f5fc1d65e.pdf, Geometry.Height=0.55mm, Mouser Price/Stock=https://www.mouser.co.uk/ProductDetail/YAGEO/RC0603JR-070RL?qs=2cAdsCoAWRGWyPcuXgGiXQ%3D%3D
R116 R117 R118 R119 R120 R121 R122 R123 R124 R125 R126 R127 R128 R129 R130 R132 R133 R134 R135 R136 R137 R138 R139 R140 R141 R149 R153 R154 R155 R156 R157 R158 R159 R160 R161 R162 R166 R167 R168 R169 R170 R171 R172 R173 R192 R193 R194 R195 R196 R197 R198 R199 R200 R201: library part RC0603FR-13180RL, "YAGEO 0603 180 ohm", Manufacturer_Name=KEMET, Manufacturer_Part_Number=RC0603JR-070RL, Mouser Part Number=603-RC0603JR-070RL, Datasheet Link=https://datasheet.datasheetarchive.com/originals/distributors/Datasheets_SAMA/902f9e387b938f871d31120f5fc1d65e.pdf, Geometry.Height=0.55mm, Mouser Price/Stock=https://www.mouser.co.uk/ProductDetail/YAGEO/RC0603JR-070RL?qs=2cAdsCoAWRGWyPcuXgGiXQ%3D%3D
R131: library part RC0603FR-10100RL, "YAGEO 0603 100 ohm", Manufacturer_Name=KEMET, Manufacturer_Part_Number=RC0603JR-070RL, Mouser Part Number=603-RC0603JR-070RL, Datasheet Link=https://datasheet.datasheetarchive.com/originals/distributors/Datasheets_SAMA/902f9e387b938f871d31120f5fc1d65e.pdf, Geometry.Height=0.55mm, Mouser Price/Stock=https://www.mouser.co.uk/ProductDetail/YAGEO/RC0603JR-070RL?qs=2cAdsCoAWRGWyPcuXgGiXQ%3D%3D
R150: library part RC0603FR-0747KL, "YAGEO 0603 47", Manufacturer_Name=KEMET, Manufacturer_Part_Number=RC0603JR-070RL, Mouser Part Number=603-RC0603JR-070RL, Datasheet Link=https://datasheet.datasheetarchive.com/originals/distributors/Datasheets_SAMA/902f9e387b938f871d31120f5fc1d65e.pdf, Geometry.Height=0.55mm, Mouser Price/Stock=https://www.mouser.co.uk/ProductDetail/YAGEO/RC0603JR-070RL?qs=2cAdsCoAWRGWyPcuXgGiXQ%3D%3D
U1 U4: "Octal Buffers/Drivers With 3-State Outputs", Manufacturer_Name="Texas Instruments", Mouser Part Number=595-SN74ABT240ADBR, Datasheet Link=http://www.ti.com/lit/gpn/sn74abt240a, Geometry.Height=2mm, Manufacturer_Part_Number=SN74ABT240ADBR, Mouser Price/Stock=https://www.mouser.co.uk/ProductDetail/Texas-Instruments/SN74ABT240ADBR?qs=JHHQeKcAU3Dt82k%252BVyiYdw%3D%3D
U2 U3 U5 U6: "Hex Inverters", Manufacturer_Name="Texas Instruments", Mouser Part Number=595-SN74AC04PWR, Datasheet Link=http://www.ti.com/lit/gpn/sn74ac04, Geometry.Height=1.2mm, Manufacturer_Part_Number=SN74AC04PWR, Mouser Price/Stock=https://www.mouser.co.uk/ProductDetail/Texas-Instruments/SN74AC04PWR?qs=RZS%252BpEsUn7pRvPNqsga4SA%3D%3D

## Free pads (board coordinates)
  round 200 hole 170: 37(200,200) 37(200,3800) 37(5400,200) 37(5400,3800)

## Via types
v1: diameter 50, hole 28, Top Layer to Bottom Layer, 288 vias

## Nets (pads, with @x,y where several pads share a name; then routed paths per layer and width w, separated by ;. In a path a pad name is that pad's centre, name@x,y a point inside that pad or via, vN(x,y) a via of type N, cw(c..) or ccw(c..) an arc to the next point about the centre after c; other vN are vias at no path point)
+3.3: H1.3 R150.1 TP1.1 | length 6293.3
  Top Layer w10: H1.3@200,1800 250,1750 676,1750 706,1780 870,1780 TP1.1@900,1750 ; v1(4815,2535) 4815,2579 4856,2620 5014.14,2620 5080,2685.86 v1(5080,3160)
  Bottom Layer w10: TP1.1@900,1750 1180,2030 1720,2030 1850,2160 1960,2160 2000,2120 2490,2120 2530,2160 3662,2160 3746,2244 4591,2244 4610,2263 4610,2478.5 4641.5,2510 4790,2510 v1(4815,2535) ; v1(5080,3160) 5020,3220 5020,3330 5058.5,3368.5 R150.1@5130,3368.5
+5: B1.16 B2.16 B3.16 C1.1 C2.1 C3.1 C4.1 C5.1 C6.1 H1.1 H2.2 H3.1 H4.1 H5.1 H6.1 H7.1 IC1.10 IC1.18 IC1.28 R23.2 R24.2 R116.2 R117.2 R118.2 R119.2 R120.2 R121.2 R122.2 R123.2 R124.2 R125.2 R126.2 R127.2 R128.2 R129.2 R130.2 R131.1 R132.2 R133.2 R134.2 R135.2 R136.2 R137.2 R138.2 R139.2 R140.2 R141.2 R149.2 R153.2 R154.2 R155.2 R156.2 R157.2 R158.2 R159.2 R160.2 R161.2 R162.2 R166.2 R167.2 R168.2 R169.2 R170.2 R171.2 R172.2 R173.2 R192.2 R193.2 R194.2 R195.2 R196.2 R197.2 R198.2 R199.2 R200.2 R201.2 U1.20 U2.14 U3.14 U4.20 U5.14 U6.14 | length 10446.3
  Top Layer w10: B2.16@1116.77,485 1198.5,485 v1(1217.5,504) ; U1.20@1289.76,2615.16 1334.7,2615.16 1382.35,2662.8 1382.35,2682.35 v1(1390,2690) ; U2.14@1475.67,1056.77 1518.85,1056.77 1558.85,1096.77 1772.65,1096.77 v1(1809.42,1060) ; IC1.10@2111.26,1473.15 v1@2111.26,1590.44 ; v1(2120,1610) 2127.65,1602.35 2147.65,1602.35 2188.74,1561.26 IC1.18@2356.85,1561.26 ; IC1.28@2205.75,1806.85 2205.75,1685.75 v1@2231.5,1660 ; B1.16@2316.77,485 v1(2376.79,485) ; U4.20@2339.76,2615.16 2385.73,2615.16 2426.58,2656 v1(2445.91,2656) ; v1(3260,1625) 3260.11,1625 3288.34,1596.77 U6.14@3415.67,1596.77 ; v1(3366,1171) 3386,1151 3386,1056.77 U5.14@3415.67,1056.77 ; v1(3415,2095) 3415,2084.18 3400,2069.18 3400,1960.63 3403.86,1956.77 U3.14@3415.67,1956.77 ; B3.16@3516.77,485 3576.72,485 3605,513.28 v1(3605,515) ; v1(5420,3540) 5420,3436.5 R24.2@5425,3431.5
  Bottom Layer w10: v1(630,3370) 631.5,3368.5 R141.2@750,3368.5 R140.2@850,3368.5 R139.2@950,3368.5 R138.2@1050,3368.5 R137.2@1150,3368.5 R136.2@1250,3368.5 R135.2@1350,3368.5 R134.2@1450,3368.5 R130.2@1630,3368.5 R131.1@1780,3368.5 R129.2@1930,3368.5 R132.2@2075,3368.5 R133.2@2200,3368.5 R173.2@2350,3368.5 R172.2@2450,3368.5 R171.2@2550,3368.5 R170.2@2650,3368.5 R169.2@2750,3368.5 R168.2@2850,3368.5 R167.2@2950,3368.5 R166.2@3050,3368.5 ; C3.1@2101.5,1460 C3.1@2102,1460 ; C2.1@2228.5,1520 C1.1@2228.5,1460 C3.1@2102,1460 ; v1(2231,1660) 2231,1761.5 2231.5,1762 C6.1@2231.5,1790 2232,1790 2232,1840 C5.1@2231.5,1840 ; v1@2231.5,1651.5 2190,1610 v1(2120,1610) 2120,1602.65 2101.5,1584.14 C4.1@2101.5,1520 2102,1520 C3.1@2102,1460 ; v1(3140,3140) 3140,3320 3188.5,3368.5 R117.2@3310,3368.5 R118.2@3400,3368.5 R119.2@3490,3368.5 R120.2@3585,3368.5 R121.2@3680,3368.5 R122.2@3770,3368.5 3851.5,3368.5 3870,3350 ; v1(3870,3170) 3870,3350 ; v1(3910,2410) 3917.65,2402.35 3917.65,2387.04 3940,2364.69 R192.2@3940,2275.5 ; R153.2@3925.75,1181.5 4078.7,1181.5 4089.45,1192.24 4089.45,1199.89 4095.31,1205.75 4206.19,1205.75 4212.05,1199.89 4212.05,1192.24 4222.8,1181.5 R155.2@4225.75,1181.5 ; v1(4069,2364) 4069,2351 4100,2320 R193.2@4100,2275.5 4100,2275 4179.5,2275 4180,2275.5 R194.2@4260,2275.5 R195.2@4400,2275.5 R196.2@4560,2275.5 ; R155.2@4225.75,1182 4292.5,1182 4293,1181.5 R156.2@4355.75,1181.5 4355.75,1182 4425.75,1182 ; R23.2@4280,3368.5 R124.2@4120,3368.5 R123.2@3980,3368.5 3888.5,3368.5 3870,3350 ; v1(4435,1260) 4431.65,1256.65 4431.65,1187.91 4425.75,1182 ; R125.2@4440,3368.5 R126.2@4620,3368.5 4710,3368.5 ; R157.2@4495.75,1181.5 4495.75,1182 4425.75,1182 ; R158.2@4655.75,1181.5 R159.2@4805.75,1181.5 R160.2@4945.75,1181.5 ; v1(4720,2370) 4720,2275 4779.5,2275 4780,2275.5 R198.2@4840,2275.5 4840,2275 4899.5,2275 4900,2275.5 R199.2@4960,2275.5 4960,2276 5080,2276 R200.2@5080,2275.5 R201.2@5200,2275.5 ; v1(4720,3220) 4710,3230 4710,3368.5 ; R128.2@4945,3368.5 R127.2@4800,3368.5 4710,3368.5 ; R161.2@5070.75,1181.5 R161.2@5070.75,1182 ; v1(5083,1297) 5048.37,1262.37 ; v1(5144,1317) 5050.5,1317 4945.75,1212.24 R160.2@4945.75,1181.5 ; R162.2@5185.75,1181.5 5121,1181.5 5120.5,1182 R161.2@5070.75,1182 ; R149.2@5270,3368.5 5272.95,3368.5 5283.7,3379.25 5283.7,3382.2 5420,3518.5 v1(5420,3540) ; R160.2@4945.75,1181.5 4967.5,1181.5 5048.37,1262.37 ; 5048.37,1262.37 5070.75,1240 R161.2@5070.75,1182
CPU_CS: R12.2 R43.2 R142.1 | length 4868.5
  Top Layer w10: R12.2@931.5,1450 1046,1450 1165,1569 v1(1165,1895) ; R142.1@1930,2668.5 1930,2603.17 1867.62,2540.79 1630.79,2540.79 1368.16,2278.16 1368.16,1958.16 1335,1925 v1(1335,1855) 1250,1770 1250,1515 1115,1380 1115,1302 1121,1296 1360,1296 1390.2,1265.8 1390.2,1159.2 1331,1100 1331,994.71 1390.2,935.51 1390.2,909.8 1437.04,862.96 1662.96,862.96 1680,880 1680,1072 1682,1074 1743,1074 1770.21,1046.79 1770.21,1030.79 1800,1001 1907,1001 1916,1010 1916,1285 1960,1329 2000,1329 2026,1303 2026,1210 2214,1210 2224,1200 2224,1178.5 R43.2@2240,1178.5
  Bottom Layer w10: v1(1165,1895) 1295,1895 v1(1335,1855)
CPU_D0: R1.1 R17.1 U1.2 | length 2785.2
  Top Layer w10: R1.1@631.5,1900 728,1900 728,2558 759.57,2589.57 U1.2@1010.24,2589.57 ; v1(1908,1949) 1979,2020 2140,2020 2150,2030 R17.1@2150,2051.5
  Bottom Layer w10: v1(726.61,1900) 728,1898.61 728,1838 831.56,1734.44 831.56,1700 850,1681.56 957.11,1681.56 1000.55,1725 1645.21,1725 1869.21,1949 v1(1908,1949)
CPU_D1: R3.1 R19.1 U1.4 | length 2722.7
  Top Layer w10: R3.1@631.5,1800 739,1800 ; v1(818,1820) 798,1800 739,1800 ; U1.4@1010.24,2538.39 767.47,2538.39 761.61,2532.53 761.61,1822.61 739,1800 ; v1(1847,2083) 2058.5,2083 R19.1@2090,2051.5
  Bottom Layer w10: v1(818,1820) 818,1800 855,1763 855,1705 940.55,1705 980.55,1745 1509,1745 v1(1847,2083)
CPU_D2: R6.1 R21.1 U1.6 | length 3137.6
  Top Layer w10: R6.1@631.5,1700 706,1700 ; v1(746,1740) 706,1700 ; U1.6@1010.24,2487.2 801.06,2487.2 795.2,2481.35 795.2,1954.8 944.53,1805.47 944.53,1709.53 935,1700 706,1700 ; v1(1894,2024) 1921.5,2051.5 R21.1@2030,2051.5
  Bottom Layer w10: v1(746,1740) 831,1655 976.55,1655 1021.55,1700 1665.92,1700 1815.92,1850 1910,1850 1980,1920 1980,2018.14 1974.14,2024 v1(1894,2024)
CPU_D3: R9.1 R25.1 U1.8 | length 2372.3
  Top Layer w10: R9.1@631.5,1600 631.5,1575 830.77,1575 852.07,1596.3 957.3,1596.3 1001,1640 v1(1001,1787) 820,1968 820,1970 810.2,1979.8 810.2,2460 819.14,2468.94 936.06,2468.94 968.98,2436.02 U1.8@1010.24,2436.02 ; v1(1515,1940) 1588.5,1866.5 R25.1@1588.5,1770
  Bottom Layer w10: v1(1001,1787) 1008.65,1794.65 1008.65,1813.65 1190,1995 1460,1995 v1(1515,1940)
CPU_D4: R11.1 R27.1 U1.11 | length 2894.5
  Top Layer w10: R11.1@631.5,1500 662,1500 v1(676,1514) ; v1(1110,1820) 1110,1604.5 1075.5,1570 1046.5,1570 1026,1590.5 1026,1715.92 1036,1725.92 1036,2074.14 1020,2090.14 1020,2319 1085.84,2384.84 1208.84,2384.84 U1.11@1289.76,2384.84 ; v1(1529,1830) 1529,1740 1559,1710 R27.1@1588.5,1710
  Bottom Layer w10: v1(676,1514) 668,1522 668,1948 724.14,2004.14 964.14,2004.14 1015,2055 1015,2095 v1(1020,2100) ; v1(1110,1820) 1140,1790 1489,1790 v1(1529,1830)
CPU_D5: R13.1 R29.1 U1.13 | length 2488.3
  Top Layer w10: R13.1@631.5,1400 v1(707,1400) v1(816,1400) ; v1(1061,1605) 1061,1755.79 1070,1764.79 1070,2090.78 1125,2145.78 1125,2325.78 1149.61,2350.39 1329.61,2350.39 1340.2,2360.98 1340.2,2425.83 1330,2436.02 U1.13@1289.76,2436.02 ; v1(1460,1585) 1525,1650 R29.1@1588.5,1650
  Bottom Layer w10: v1(707,1400) 790.83,1483.83 899.83,1483.83 ; v1(816,1400) 899.83,1483.83 ; v1(1061,1605) 1021,1605 976,1560 ; v1(1460,1585) 1435,1560 976,1560 ; 899.83,1483.83 976,1560
CPU_D6: R15.1 R31.1 U1.15 | length 6316.4
  Top Layer w10: v1(630,3210) 155,2735 155,1180 180,1155 580,1155 600,1175 600,1290 610,1300 R15.1@631.5,1300 775,1300 843,1232 v1(843,1137) ; U1.15@1289.76,2487.2 1487.2,2487.2 1540,2540 1540,2750 1512,2778 1512,3207 v1(1520,3215) ; R31.1@1588.5,1590 1619,1590 1620,1589 1620,1168 v1(1589,1137)
  Bottom Layer w10: v1(630,3210) 635,3215 v1(1520,3215) ; v1(843,1137) 896,1190 1160,1190 1200,1150 1565.18,1150 1578.18,1137 v1(1589,1137)
CPU_D7: R16.1 R33.1 U1.17 | length 4309.4
  Top Layer w10: R16.1@631.5,1200 720,1200 v1(750,1230) ; U1.17@1289.76,2538.39 v1(1374,2538.39) ; v1(1515,1525) 1520,1530 R33.1@1588.5,1530
  Bottom Layer w10: v1(1374,2538.39) 1275.86,2538.39 1270,2544.24 1270,2924.14 1264.14,2930 611.21,2930 515,2833.79 515,2105 605,2015 605,1205.86 610.86,1200 720,1200 v1(750,1230) 750,1269 1006,1525 v1(1515,1525)
CPU_LED_Read: LED17.1 U2.8 | length 3153.8
  Top Layer w10: U2.8@1475.67,903.23 1432,903.23 1410.2,925.03 1410.2,955.51 1351,1014.71 1351,1080 1410.2,1139.2 1410.2,1285.8 1380,1316 1265.86,1316 1260,1321.86 1260,1503.79 1270,1513.79 1270,1696.84 1400,1826.84 1400,2284.14 1405.86,2290 1635.55,2519.69 1883.27,2519.69 1966,2602.43 1966,2934.5 2075,3043.5 LED17.1@2075,3343.5
CPU_LED_Write: LED26.1 U2.12 | length 3437
  Top Layer w10: U2.12@1475.67,1005.59 1431,1005.59 1431,1224 v1(1491,1284) ; v1(1887,1774) 1836.09,1774 1810.09,1800 1770,1800 1585,1985 1435,1985 1420,2000 1420,2270 1650,2500 1884.79,2500 1981,2596.21 1981,2921 2080,3020 2200,3020 LED26.1@2200,3343.5
  Bottom Layer w10: v1(1491,1284) 1887,1680 v1(1887,1774)
CPU_nInt: R7.2 R45.2 R143.1 | length 4547.9
  Top Layer w10: v1(789.7,1615) 791,1616.3 897.3,1616.3 910,1629 910,1650 R7.2@931.5,1650 ; v1(1630,2623) R143.1@1630,2668.5 ; v1(1999,1139) 2100,1139 2120,1159 R45.2@2120,1178.5
  Bottom Layer w10: v1(1630,2623) 1637,2616 1637,2583 1735,2485 1735,2117.36 1724.14,2106.5 1113.5,2106.5 967,1960 728,1960 688,1920 688,1716.7 v1(789.7,1615) 991,1615 1031,1655 1467,1655 1577,1545 1577,1500 1529,1452 1497,1452 1371,1326 1296,1326 1275,1305 1275,1200.86 1280.86,1195 1388.86,1195 1423.86,1230 1908,1230 v1(1999,1139)
CPU_Reset: R14.2 R20.2 R145.1 | length 3341.8
  Top Layer w10: R14.2@931.5,1350 1018.79,1350 1194,1525.21 1194,1835.21 1212,1853.21 1212,1989 v1(1145,2056) ; v1(1751,2606) 1751,2668.5 R145.1@1780,2668.5 ; R20.2@2340,2051.5 2340,2078 2360,2098 2440,2098 2501,2159 v1(2501,2253)
  Bottom Layer w10: v1(1145,2056) 1716.5,2056 1850.5,2190 1980,2190 2030,2140 2460,2140 2501,2181 v1(2501,2253) ; 1751,2093 v1(1751,2606)
CPU_RnW: R10.2 R44.2 R163.1 R164.1 | length 2278.7
  Top Layer w10: R10.2@931.5,1550 931.5,1507.5 900,1476 900,1241 1049,1092 1146.18,1092 1159.18,1105 v1(1170,1105) ; R164.1@1711.5,980 1711.5,959.5 ; v1(1800,925) 1746,925 1711.5,959.5 ; R44.2@2180,1178.5 2180,960 2100,880 1725,880 1712.84,892.16 1712.84,918.65 R163.1@1711.5,920 1711.5,959.5
  Bottom Layer w10: v1(1170,1105) 1436,1105 1616,925 v1(1800,925)